# Altium PCB HW_RV_TOUCH_R1M1.PcbDoc (part 1 of 5)
Units mil, origin at the board's own origin, x right, y up, seen from the top; angles counter-clockwise.
Board outline 7086.61 x 4330.71 mil, 6 copper layers (Top Layer, Int1 (GND), Int2 (Sig), Int3 (PWR), Int4 (GND), Bottom Layer), stack 77.316 mil thick; 341 components, 211 nets, 1147 pads, 844 vias.
Unrouted connection lines stored in the file: 123.
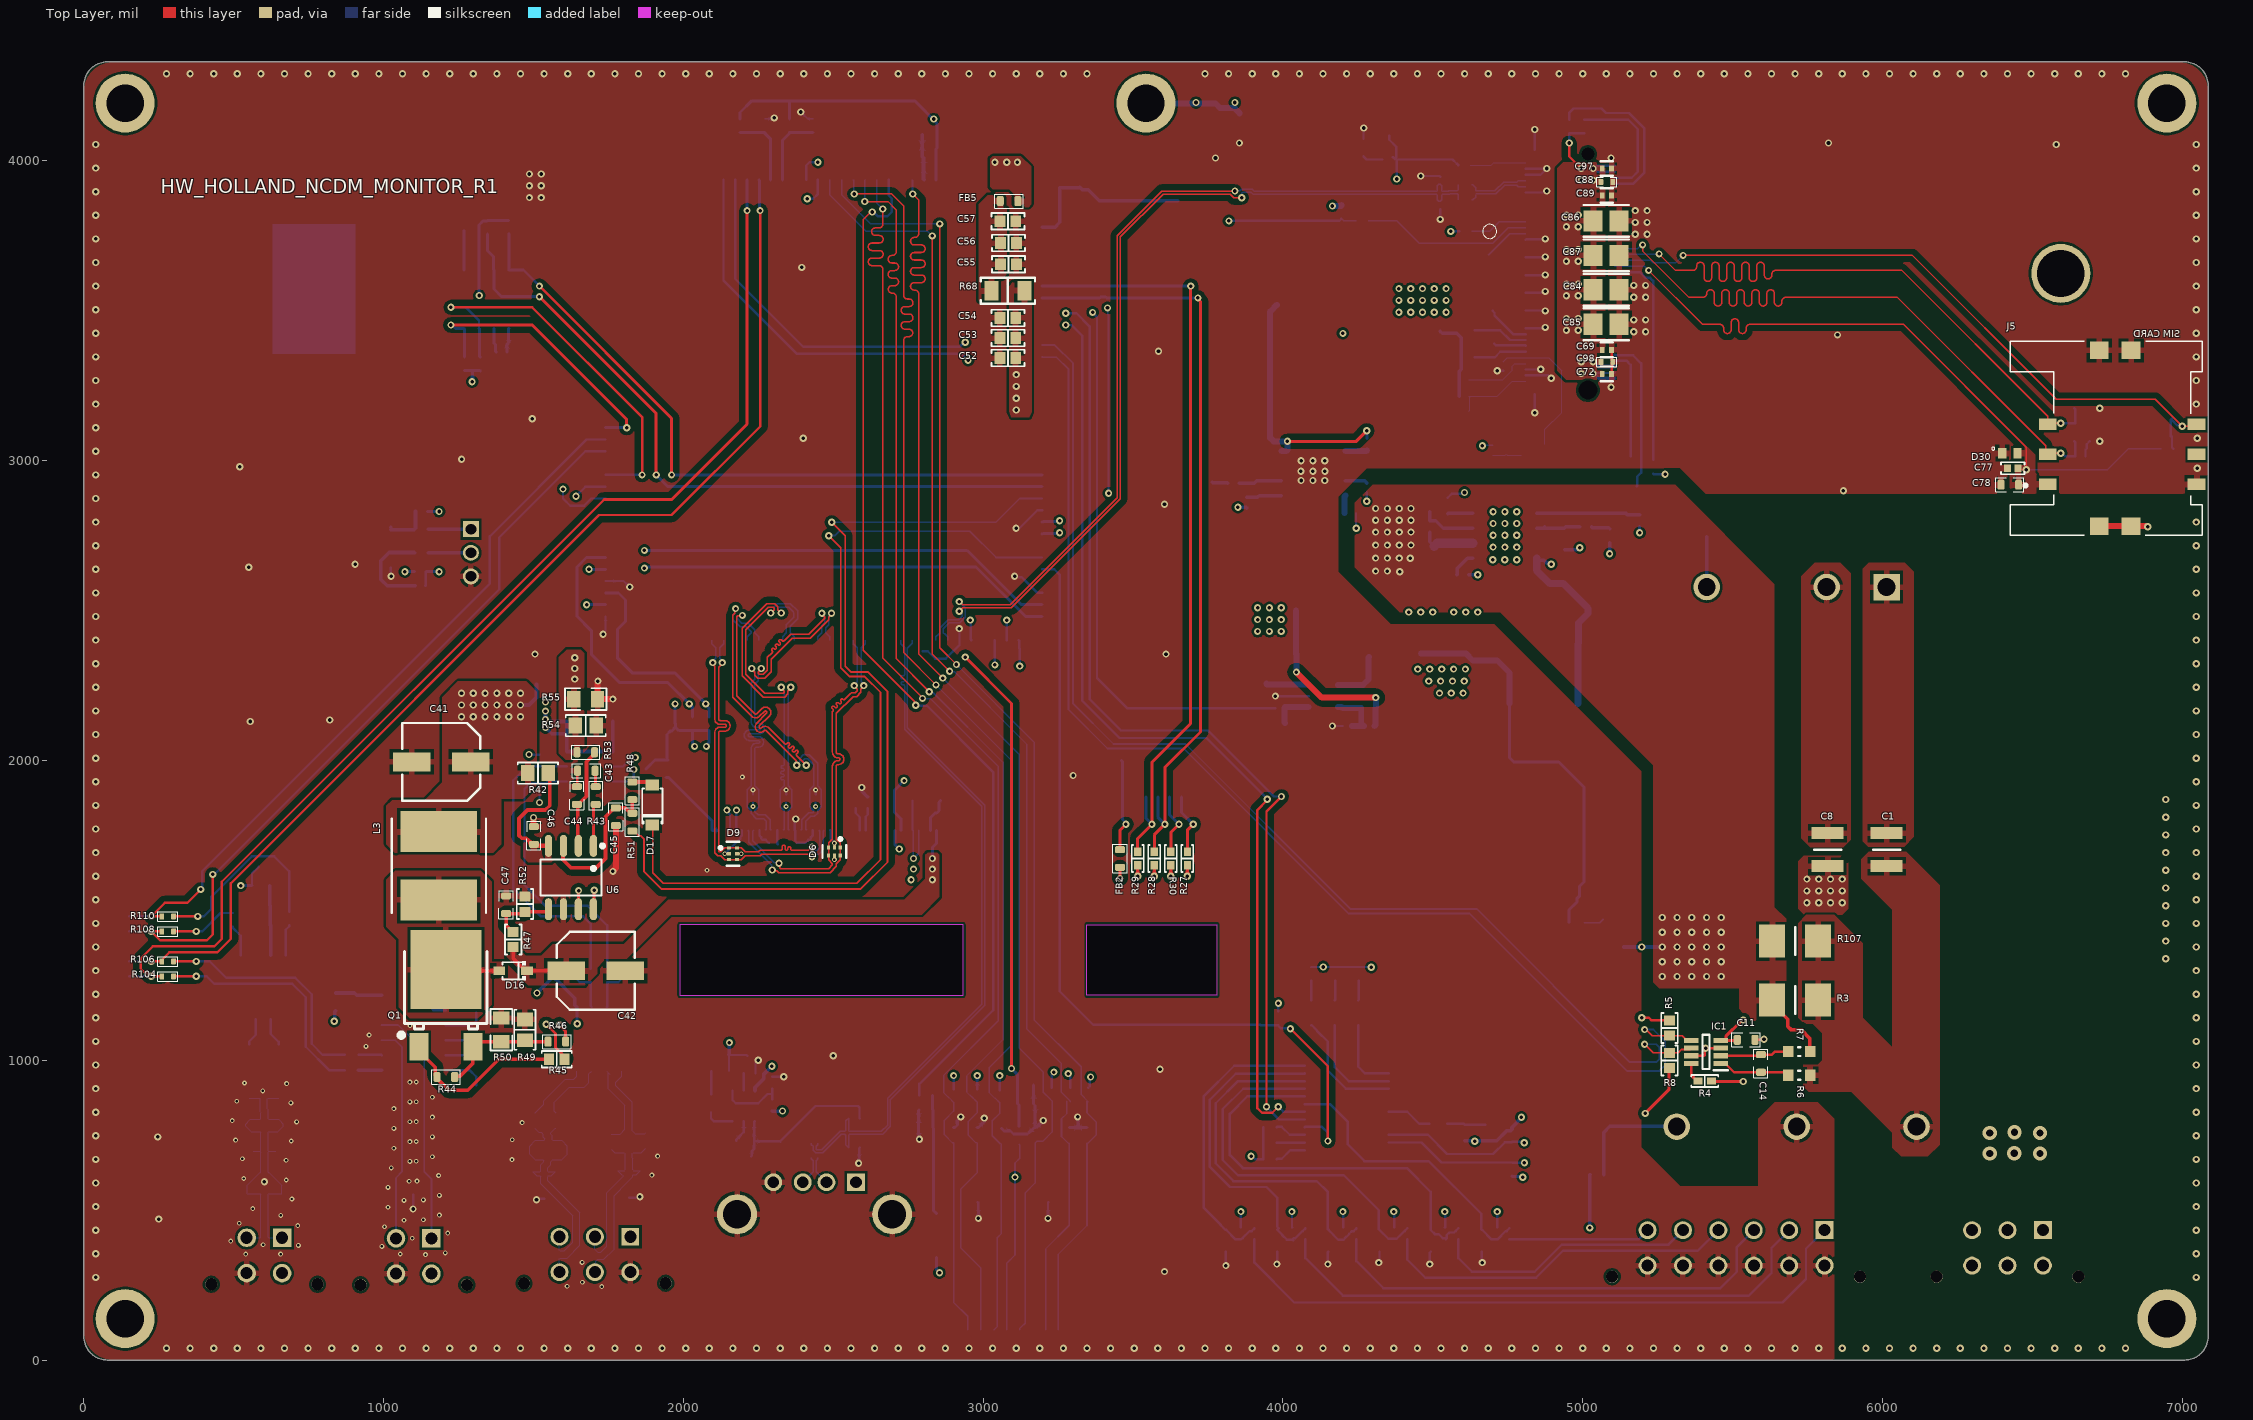
[diagram p0: Top Layer view]
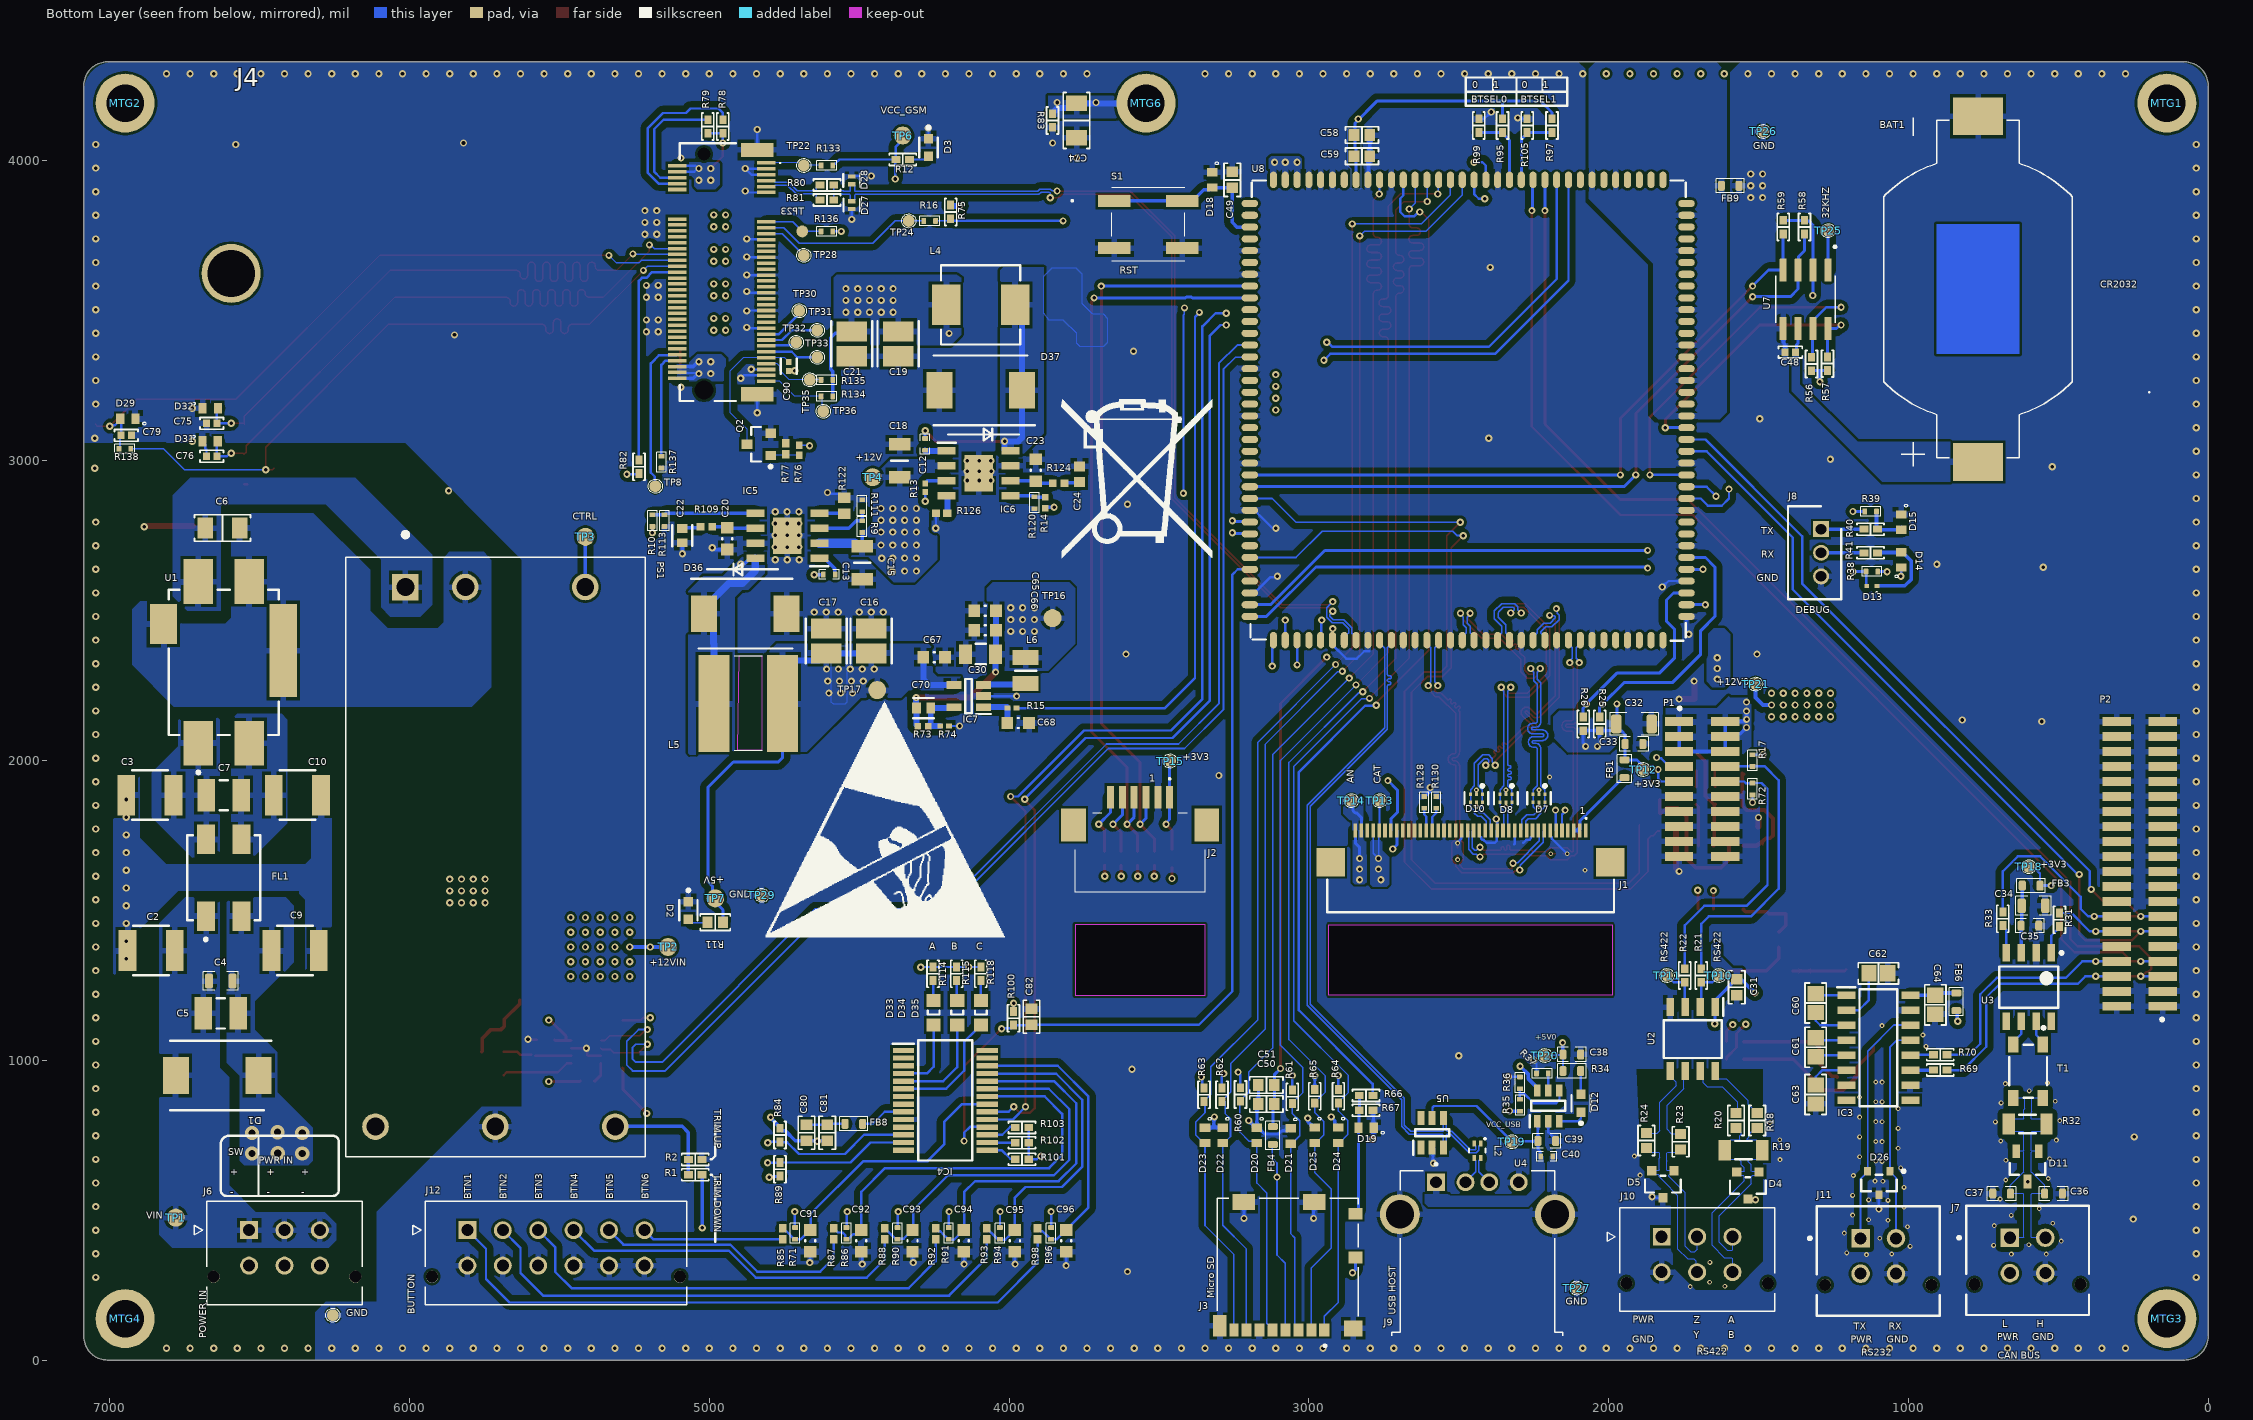
[diagram p1: Bottom Layer view, seen from below]
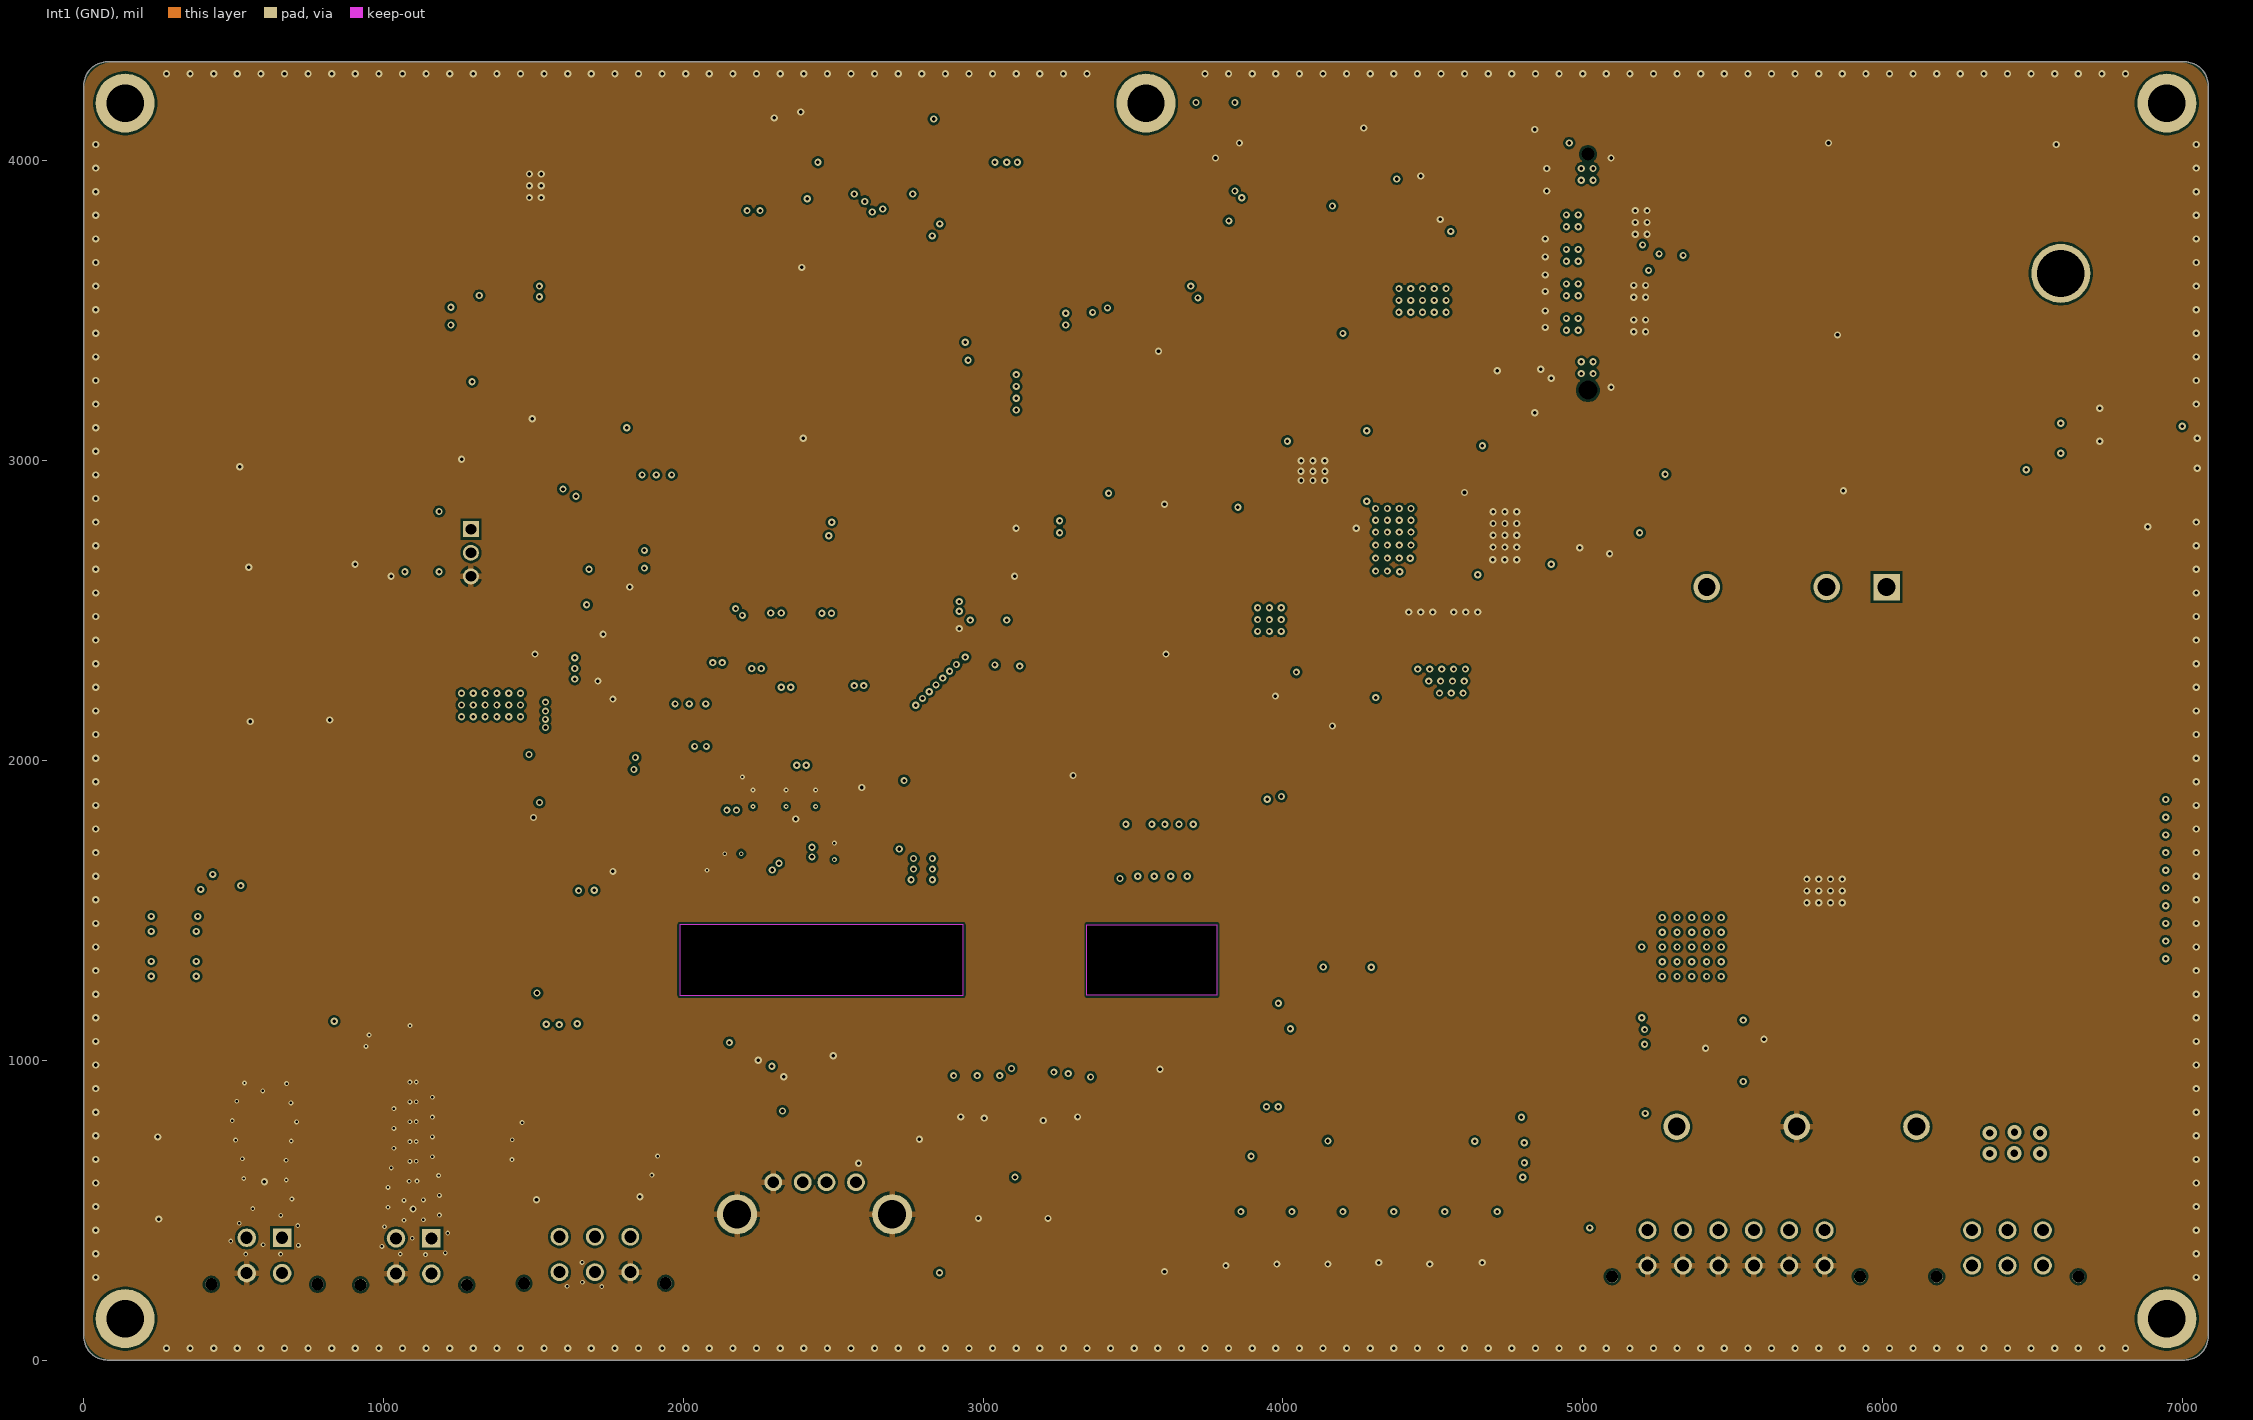
[diagram p2: Int1 (GND)]
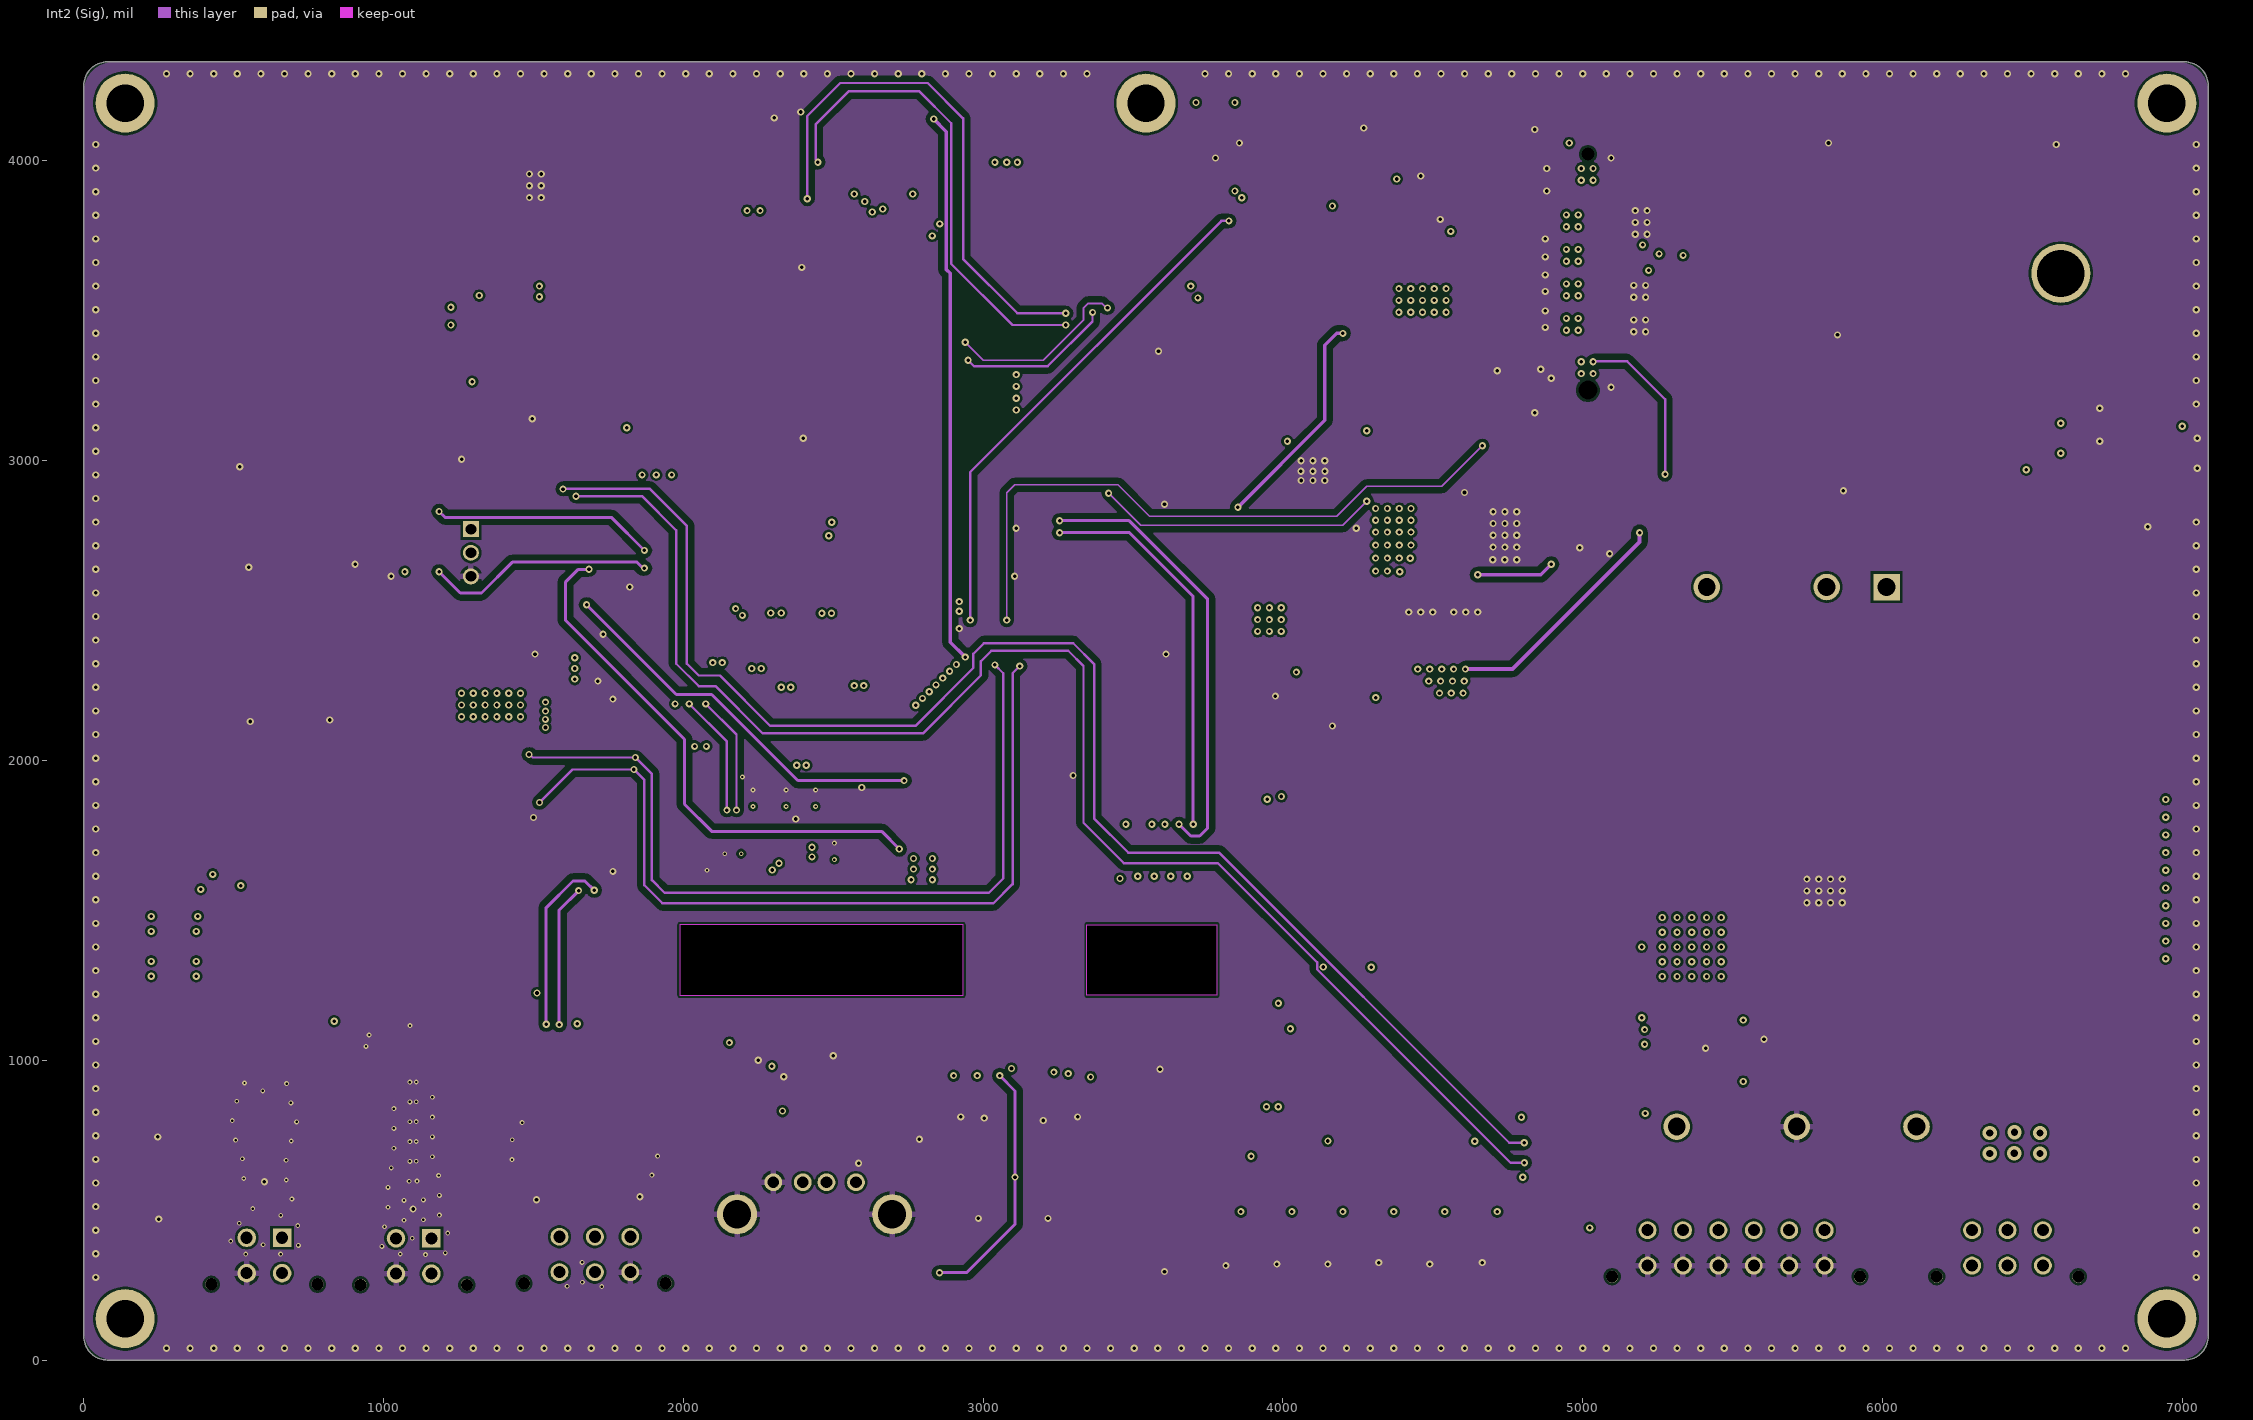
[diagram p3: Int2 (Sig)]